# KiCad board EBAZ4205.kicad_pcb (continued)
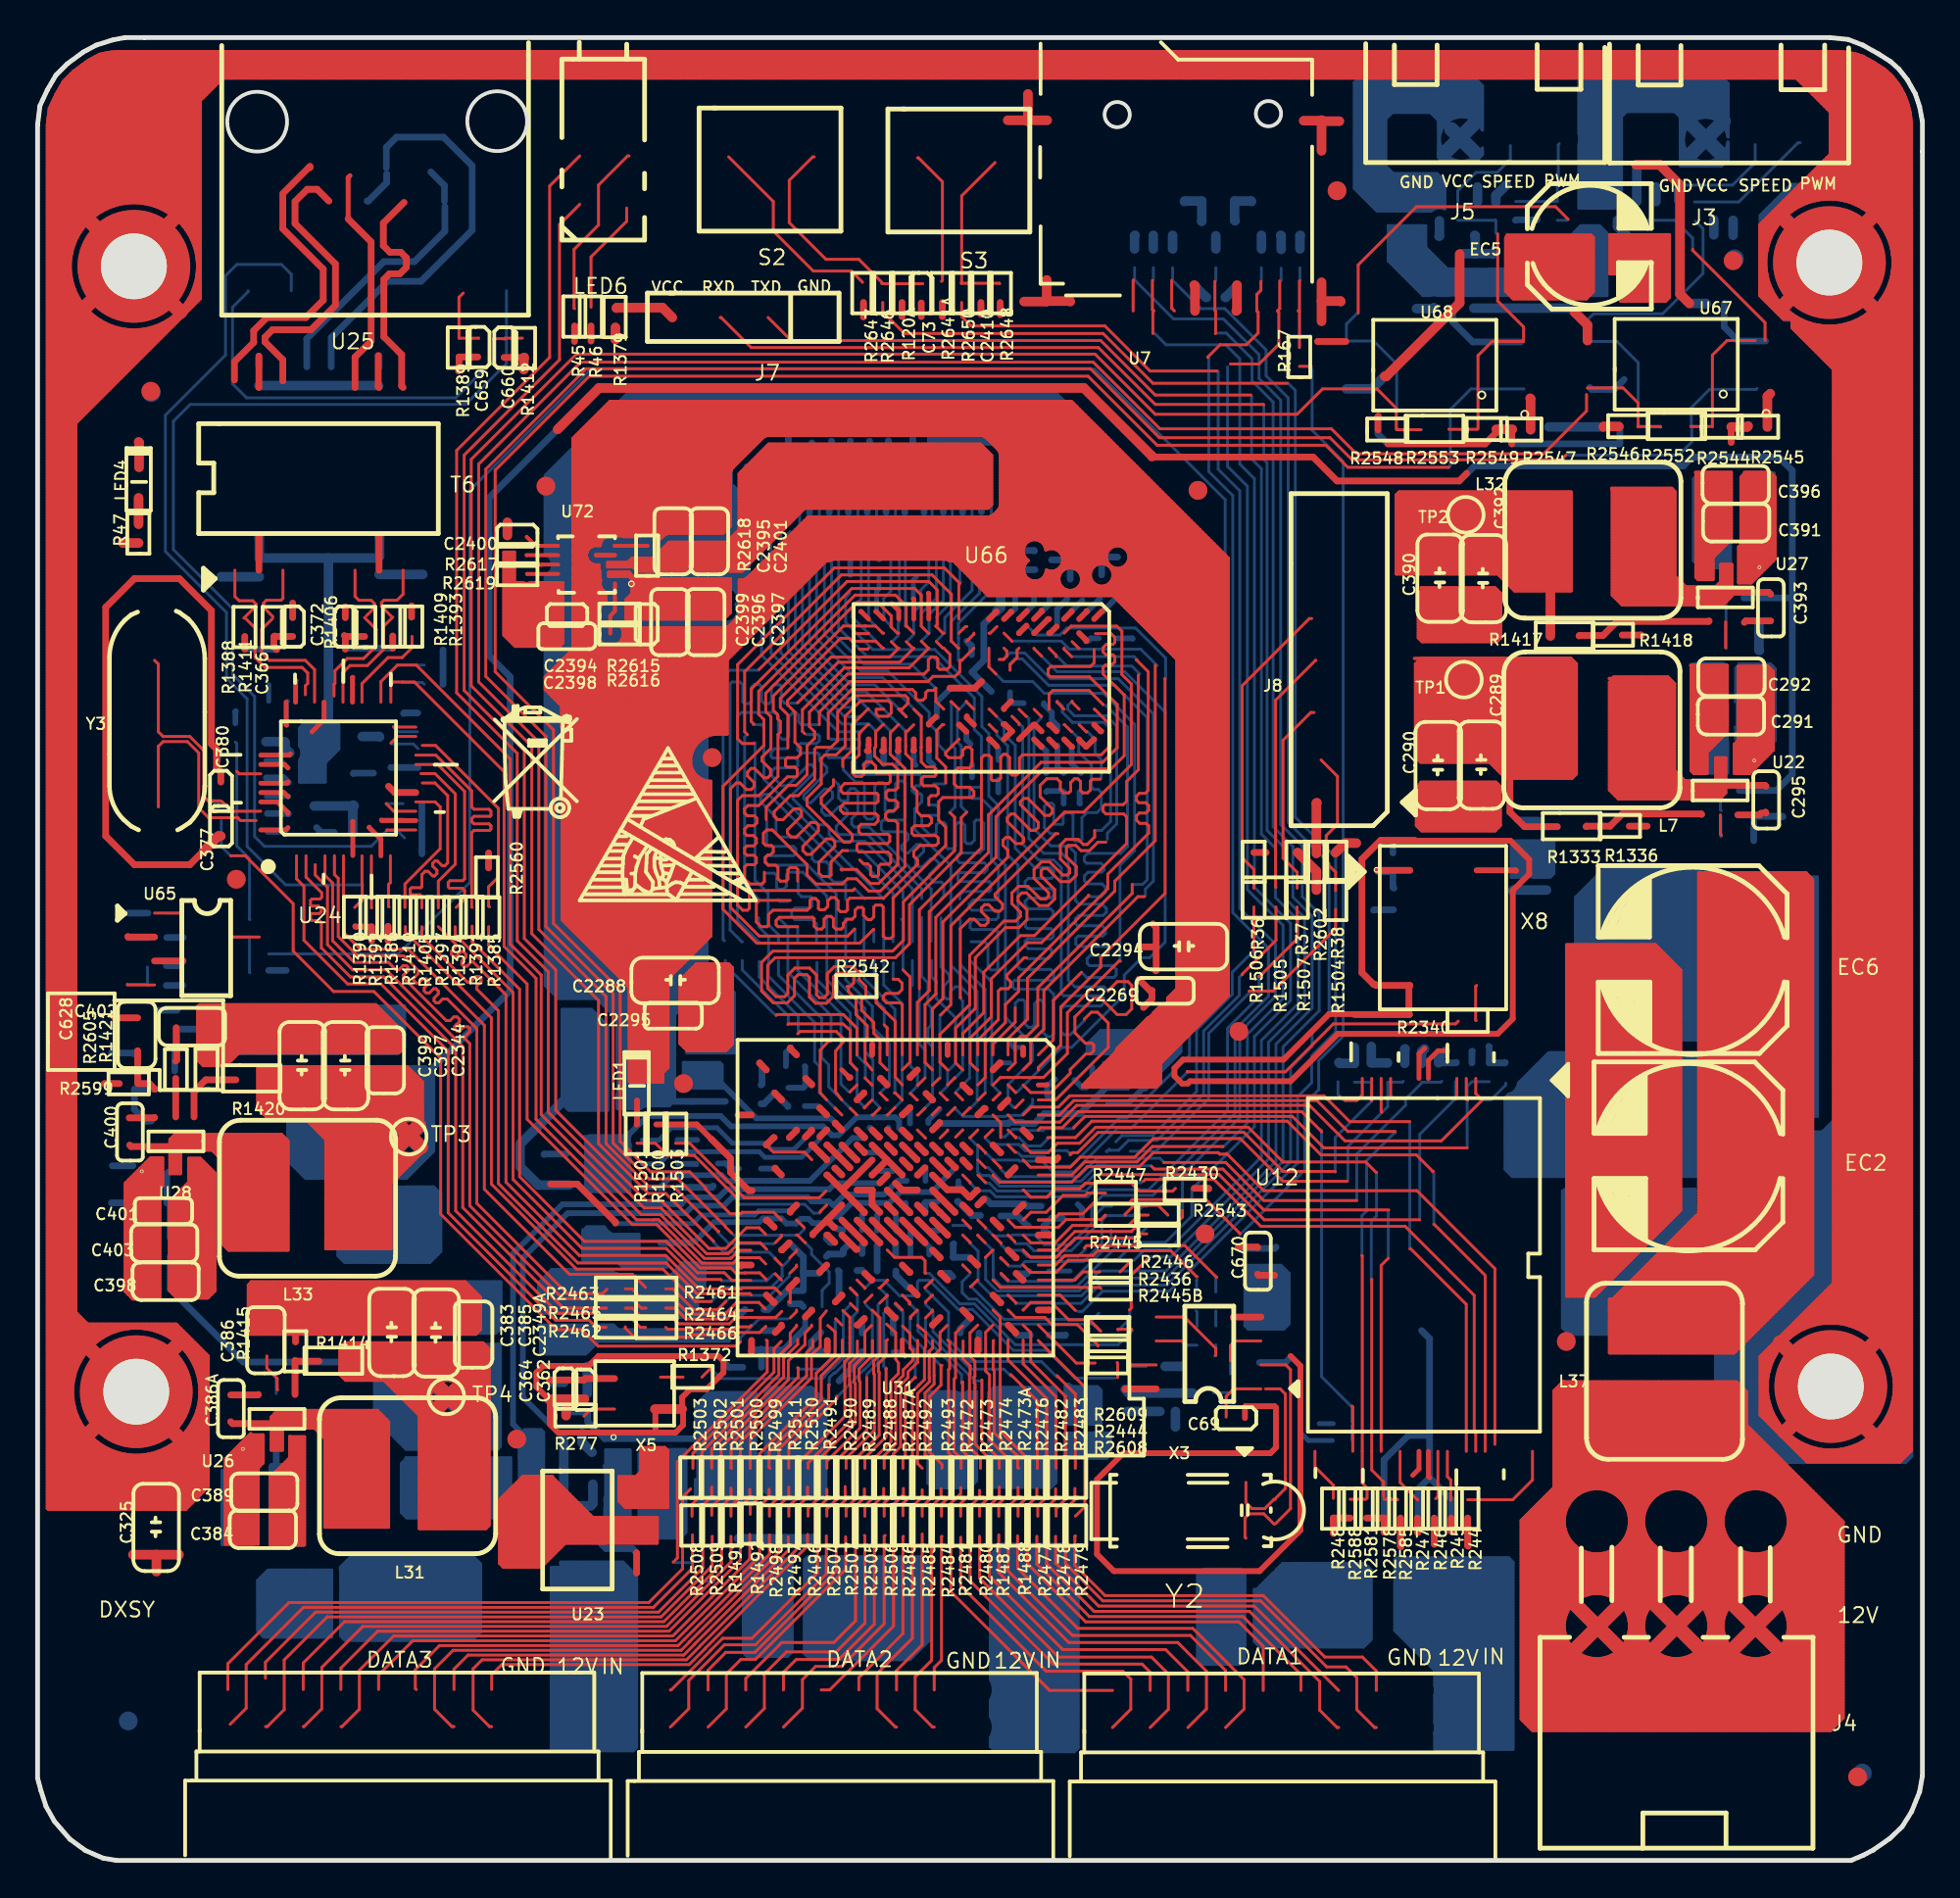
[diagram p0: board, top side]
## Routing (per net, layer and track width the routed paths; a pad name or vN(x,y) marks a point on that pad's centre or on a via; arc(x,y) is an arc through that point) (continued)
; 24.48,0.54 24.48,6.25 ; 29.05,42.3 29.05,87.24 ; 49.63,38.87 49.63,39.66 ; 68.96,71.78 69.69,71.78 ; 51.66,40.22 51.66,40.84 ; 18.38,76.56 18.38,79.8 ; 23.09,7.13 23.24,7.13 ; 4.67,0.55 4.67,17.49 ; 46.45,75.08 46.92,75.08 ; 76.16,6.88 79.66,6.88 ; 38.7,52.97 38.7,55.01 ; 66.73,16.15 67.06,16.15 ; 43.4,64.6 43.4,64.96 ; 52.34,45.61 58.52,45.61 ; 41.12,33.16 41.12,33.42 ; 9.27,81.81 32.9,81.81 ; 63.45,38.12 75.73,38.12 ; 47.62,31.26 49.23,31.26 ; 58.63,51.84 67.7,51.84 ; 75.15,43.45 76.85,43.45 ; 24.15,24.02 35.01,24.02 ; 68.61,38.5 71.99,38.5 ; 39.72,10 39.72,28.65 ; 13.05,56.91 13.05,57.87 ; 46.96,29.14 46.96,29.43 ; 56.1,22.9 56.1,32.37 ; 10.78,60.85 38.02,60.85 ; 65.1,48.53 93.15,48.53 ; 5.81,0.55 5.81,17.5 ; 15.18,90.7 15.81,90.7 ; 50.01,72.71 50.01,74.52 ; 89.02,72.54 93.08,72.54 ; 43.53,60.36 43.53,60.61 ; 60.06,9.42 60.36,9.42 ; 47.56,74.95 47.84,74.95 ; 40.99,7.7 40.99,8.47 ; 49.88,62.94 49.88,72.26 ; 9.28,86.13 58.28,86.13 ; 23.07,8.91 23.26,8.91 ; 53.47,68.73 56.37,68.73 ; 4.16,70.3 4.16,76.04 ; 57.63,44.33 57.63,47.48 ; 29.56,88.75 29.56,90.13 ; 53.82,33.67 53.82,38.09 ; 57.15,54.5 70,54.5 ; 68.64,39.01 71.92,39.01 ; 53.72,59.58 53.93,59.58 ; 49.75,60.29 49.75,61.48 ; 56.87,9.92 56.87,21.45 ; 75.41,17.86 75.41,40.16 ; 48.29,9.8 49.14,9.8 ; 14.32,17.32 14.32,17.64 ; 40.4,9.67 40.99,9.67 ; 36.37,23.9 51.68,23.9 ; 49.21,68.35 52.9,68.35 ; 70.33,32.56 70.33,34.75 ; 17.11,89.15 17.11,89.39 ; 50.52,9.55 50.52,25.28 ; 29.52,88.79 30.81,88.79 ; 9.29,89.94 13.56,89.94 ; 69.69,0.53 69.69,6.27 ; 41.75,82.99 41.75,86.95 ; 73.25,82.97 73.25,85.98 ; 74.9,17.68 74.9,42.71 ; 11.02,84.46 11.02,90.8 ; 1.91,9.42 9.25,9.42 ; 55.52,29.48 57.83,29.48 ; 34.43,7.64 34.93,7.64 ; 50.62,32.53 50.99,32.53 ; 29.1,7.01 32.75,7.01 ; 88.74,63.44 88.74,69.71 ; 43.41,13.1 79.63,13.1 ; 88.74,62.76 88.74,63.33 ; 46.58,65.04 46.66,65.04 ; 36.04,89.47 36.04,90.03 ; 42.26,40.39 42.26,43.23 ; 17.05,8.91 17.24,8.91 ; 45.7,38.12 46.25,38.12 ; 52.17,45.74 52.17,60.67 ; 63.03,83.97 64.72,83.97 ; 40.71,25.93 43.8,25.93 ; 59.7,83.97 59.98,83.97 ; 9.3,95.65 39.76,95.65 ; 75.15,63.19 75.15,73.76 ; 46.59,8.78 46.83,8.78 ; 47.72,39.49 47.72,39.8 ; 21.32,73.93 74.77,73.93 ; 78.58,53.06 78.58,55.04 ; 47.59,65.19 47.59,65.35 ; 71.09,62.14 71.09,63.13 ; 39.3,81.3 41,81.3 ; 44.93,38.87 44.93,39.67 ; 63.98,9.58 63.98,32.96 ; 70.33,24.29 70.33,31.84 ; 12.03,80.4 12.03,83.14 ; 23.34,25.15 23.34,25.72 ; 3.91,41.52 3.91,75.78 ; 36.84,87.65 41.19,87.65 ; 37.56,35.07 37.56,59.59 ; 48.48,38.64 48.48,39.88 ; 39.57,32.28 39.66,32.28 ; 44.04,60.39 44.04,60.59 ; 69.95,43.65 69.95,53.83 ; 46.91,87.65 51.22,87.65 ; 61.81,6.37 62.61,6.37 ; 72.74,0.53 72.74,6.3 ; 33.62,16.21 33.62,19.4 ; 20.52,39.01 42.14,39.01 ; 45.35,44.22 56.26,44.22 ; 10.12,20.85 32.27,20.85 ; 36.79,44.47 39.53,44.47 ; 76.68,0.53 76.68,40.13 ; 73.5,82.97 73.5,85.72 ; 48.36,45.3 48.36,55.43 ; 18.38,91.01 18.38,96.32 ; 74.01,9.57 74.01,19.99 ; 14.07,90.93 14.07,96.32 ; 69.54,9.93 70.93,9.93 ; 5.11,49.42 9.99,49.42 ; 21.5,90.32 28.02,90.32 ; 7.97,46.88 7.97,50.24 ; 4.67,29.37 4.67,46.25 ; 19.91,0.54 19.91,6.23 ; 57.37,32.34 57.37,37.86 ; 50.64,72.41 67.9,72.41 ; 40.36,52.51 40.36,61.24 ; 16.38,8.02 17.91,8.02 ; 45.75,65.55 45.84,65.55 ; 49.83,55.9 67.24,55.9 ; 59.79,7.8 59.79,8.33 ; 44,64.16 48.8,64.16 ; 59.79,20.89 59.79,36.87 ; 24.61,9.92 24.61,80.83 ; 4.89,70 52.79,70 ; 37.02,36.47 49.51,36.47 ; 56.61,9.77 56.61,21.56 ; 56.87,46.65 56.87,53.81 ; 2.91,41.68 3.33,41.68 ; 71.34,31.12 71.34,36.24 ; 49.95,38.25 50.12,38.25 ; 38.96,83.05 38.96,95.74 ; 28.54,42.22 28.54,42.72 ; 41.88,82.93 41.88,86.88 ; 68.49,23.52 79.59,23.52 ; 59.42,8.15 60.99,8.15 ; 21.69,7.92 21.69,8.3 ; 89.63,72.43 89.63,78.13 ; 49.37,0.53 49.37,6.24 ; 29.05,9.4 29.05,27.12 ; 25.88,83.59 61.26,83.59 ; 34.59,82.57 35.51,82.57 ; 29.56,0.54 29.56,33.1 ; 52.42,33.04 53.51,33.04 ; 39.42,32.41 39.79,32.41 ; 8.99,76.56 8.99,80.84 ; 9.88,28.66 9.88,53.35 ; 77.44,60.98 93.11,60.98 ; 1.93,14.5 17.44,14.5 ; 10.89,7.65 10.89,8.58 ; 50.68,34.95 60.74,34.95 ; 18.26,76.56 18.26,79.73 ; 18.64,0.54 18.64,6.34 ; 59.26,51.46 67.71,51.46 ; 71.09,53.01 71.09,55.37 ; 35.78,10 35.78,23.46 ; 40.83,49.55 43.08,49.55 ; 54.59,65.68 67.53,65.68 ; 1.93,13.99 17.36,13.99 ; 54.07,26.15 54.07,32.97 ; 43.07,52.98 43.47,52.98 ; 57.88,93.77 57.88,93.93 ; 47.58,34.56 48.45,34.56 ; 49.12,34.71 49.12,36.59 ; 44.42,31.26 46.83,31.26 ; 40.34,28.72 40.46,28.72 ; 49.16,40.28 49.3,40.28 ; 2.9,45.23 6.06,45.23 ; 41.5,60.83 41.5,81.2 ; 72.2,32.28 72.74,32.28 ; 70.96,7.96 70.96,8.16 ; 69.31,36.94 69.31,40.18 ; 50.9,9.49 50.9,31.14 ; 53.56,33.57 53.56,38.13 ; 47.46,72.16 47.89,72.16 ; 44.3,41.93 44.6,41.93 ; 57.37,44.34 57.37,47.55 ; 50.36,75.2 71.51,75.2 ; 25.5,94.13 54.24,94.13 ; 21.05,7.36 21.05,8.87 ; 56.36,22.93 56.36,36.13 ; 42.22,74.44 42.96,74.44 ; 53.99,69.62 57.16,69.62 ; 88.97,71.65 93.08,71.65 ; 72.36,39.18 72.36,68.47 ; 27.66,76.57 27.66,96.32 ; 26.13,20.35 26.13,64.67 ; 26.51,0.54 26.51,6.26 ; 52.31,41.17 53.35,41.17 ; 62.98,83.84 64.77,83.84 ; 26,65.06 26,65.35 ; 45.96,40.28 46.9,40.28 ; 42.53,7.51 42.87,7.51 ; 88.77,62.63 93.11,62.63 ; 43.37,89.3 44.78,89.3 ; 46.83,36.9 46.83,38.38 ; 50.13,63.13 50.13,72.02 ; 36.16,38.64 36.16,42.96 ; 74.77,74.37 74.77,84.45 ; 43.91,64.84 43.91,65.06 ; 40.36,51.35 40.36,51.74 ; 47.25,46.63 56.8,46.63 ; 52.8,23.55 52.8,23.92 ; 59.41,7.98 59.41,8.14 ; 77.8,61.49 93.11,61.49 ; 79.03,52.85 83.47,52.85 ; 66.79,29.61 79.57,29.61 ; 65.5,7.96 65.5,8.17 ; 13.56,56.94 13.56,57.83 ; 71.34,17.72 71.34,30.73 ; 42.73,29.1 43.7,29.1 ; 22.96,26.41 22.96,82.67 ; 74.39,7.43 74.39,8.7 ; 17.43,89.94 17.65,89.94 ; 47.98,62.75 47.98,64.51 ; 35.28,68.1 35.28,86.74 ; 4.8,49.57 4.8,50.03 ; 11.27,64.78 11.27,70.75 ; 76.77,63.14 88.04,63.14 ; 43.15,14.63 43.15,29.26 ; 43.59,61.74 48.24,61.74 ; 9.8,18.56 79.61,18.56 ; 73.55,70.89 75.54,70.89 ; 8.66,34.82 36.86,34.82 ; 49.81,55.65 67.42,55.65 ; 43.78,64.87 43.78,64.95 ; 2.8,73.43 8.27,73.43 ; 71.26,62 75.66,62 75.66,61.76 ; 44.26,33.17 45.3,33.17 ; 61.31,31.13 61.31,34.52 ; 56.99,93.76 56.99,93.93 ; 70.84,63.01 75.09,63.01 ; 62.33,36.14 62.33,79.61 ; 63.72,79.91 63.72,95.47 ; 4.73,76.6 71.07,76.6 ; 52.93,65.43 53.9,65.43 ; 88.93,72.28 89.01,72.28 ; 44.93,65.92 44.93,66.22 ; 73.88,0.53 73.88,6.4 ; 51.57,31.52 51.81,31.52 ; 73.12,17.67 73.12,32.17 ; 46.45,72.63 46.45,74.52 ; 84.82,52.85 86.43,52.85 ; 49.88,9.99 49.88,25.44 ; 2.84,61.36 10.2,61.36 ; 69.39,36.85 70.93,36.85 ; 46.45,91.53 46.45,94.95 ; 76.16,7.26 79.65,7.26 ; 37.94,27.47 37.94,59.1 ; 75.28,74.5 75.28,83.94 ; 72.36,7.35 72.36,8.77 ; 51.79,8.03 51.79,8.15 ; 10.89,0.55 10.89,6.6 ; 51.88,91.46 69.89,91.46 ; 65.25,77.87 65.25,83.68 ; 61.18,17.18 61.18,20.02 ; 86.58,50.04 86.58,50.48 ; 46.34,72.03 47.02,72.03 ; 70.71,31.19 70.71,31.88 ; 4.29,0.87 4.29,17.49 ; 13.46,60.09 14.21,60.09 ; 52.1,60.6 52.37,60.6 ; 66.89,78.63 71.56,78.63 ; 46.48,65.17 46.74,65.17 ; 52.67,69.82 52.67,86.68 ; 2.85,59.33 18.43,59.33 ; 67.15,9.97 67.15,13.14 ; 42.77,39.48 42.77,39.82 ; 58.39,29.63 58.39,31.59 ; 16.35,76.56 16.35,88.02 ; 16.61,55.66 16.61,64.16 18.76,64.16 ; 46.54,61.11 46.73,61.11 ; 7.59,0.55 7.59,17.51 ; 76.3,38.25 84.58,38.25 ; 7.46,43.61 7.46,46.28 ; 68.86,68.47 69.79,68.47 ; 70.84,0.53 70.84,6.24 ; 44.92,65.93 45.08,65.93 ; 52.42,28.21 52.42,31.04 ; 44.29,47.44 44.29,49.22 ; 34.65,82.44 35.45,82.44 ; 2.82,67.97 33.25,67.97 ; 83.79,51.12 83.79,51.48 ; 9.03,32.91 35.52,32.91 ; 36.23,26.06 40.09,26.06 ; 51.79,25.22 51.79,25.46 ; 52.29,45.66 52.29,47.84 ; 69.93,36.47 70.89,36.47 ; 42.61,43.71 48.15,43.71 ; 66.77,29.67 66.77,78.34 ; 19.04,6.88 19.26,6.88 ; 71.5,61.36 73.85,61.36 ; 29.81,81.02 29.81,96.32 ; 76.3,40.79 76.3,60.47 ; 47.98,61.23 47.98,62.05 ; 2.87,53.36 9.87,53.36 ; 36.42,30.09 36.42,30.48 ; 18.13,76.56 18.13,79.71 ; 56.48,61.85 56.48,66.14 ; 77.19,0.52 77.19,40.23 ; 61.19,34.31 71.66,34.31 ; 2.94,32.53 8.36,32.53 ; 77.56,61.87 87.96,61.87 ; 57.57,32.28 58.01,32.28 ; 39.57,31.14 39.68,31.14 ; 49.55,33.29 48.23,33.29 48.23,32.46 ; 44.53,7.51 44.88,7.51 ; 27.93,76.47 80.07,76.47 ; 49.5,0.53 49.5,6.2 ; 36.16,43.52 36.16,43.68 ; 71.85,17.81 71.85,31.66 ; 52.04,30.04 52.04,30.83 ; 71.87,17.8 73.27,17.8 ; 64.87,46.32 64.87,46.67 ; 4.47,76.35 8.27,76.35 ; 73.97,6.5 74.52,6.5 ; 71.55,52.98 78.43,52.98 ; 36.8,45.61 36.8,45.99 ; 55.72,0.53 55.72,32.24 ; 48.18,60.6 50.77,60.6 ; 84.42,51.94 84.42,52.27 ; 71.5,55.39 78.36,55.39 ; 52.52,6.62 56.39,6.62 ; 46.62,60.09 49.03,60.09 ; 2.86,57.68 10.34,57.68 ; 88.54,62.25 88.91,62.25 ; 11.02,76.56 11.02,82.64 ; 42.13,57.85 42.13,59.34 ; 48.33,26.69 57.9,26.69 ; 41.5,9.98 41.5,12.43 ; 20.16,0.54 20.16,6.2 ; 50.39,63.11 50.39,72.03 ; 43.66,29.73 43.66,30.27 ; 34.39,89.04 34.39,96.22 ; 56.83,43.84 57.11,43.84 ; 59.79,9.77 59.79,16.31 ; 56.97,61.23 67.16,61.23 ; 44.44,72.66 44.86,72.66 ; 25.05,7.39 25.28,7.39 ; 58.52,37.99 62.68,37.99 ; 40.39,74.57 40.78,74.57 ; 81.12,34.85 81.12,74.46 ; 10.12,22.75 35.31,22.75 ; 47.59,33.04 49.27,33.04 ; 50.77,40.66 50.88,40.66 ; 67.45,8.15 69.02,8.15 ; 15.84,8 15.84,8.22 ; 44.17,0.54 44.17,6.3 ; 35.66,67.98 35.66,81.48 ; 72.99,39.72 72.99,40.25 ; 45.31,33.17 45.31,34.24 ; 54.96,29.52 54.96,37.28 ; 33.78,20.34 59.46,20.34 ; 70.07,7.47 70.07,8.66 70.4,8.66 ; 50.13,41.12 50.13,62.37 ; 73.88,61.64 73.88,85.34 ; 57.91,92.1 65.14,92.1 ; 8.86,33.35 8.86,34.2 ; 52.45,22.75 55.93,22.75 ; 12.16,76.56 12.16,80.02 ; 50.39,38.89 50.39,39.63 ; 8.86,32.6 8.86,32.68 ; 50.64,91.27 50.64,94.51 ; 60.68,34.9 60.68,83.88 ; 40.61,7.26 40.78,7.26 ; 38.84,55.01 54.14,55.01 ; 28.54,89.03 28.54,89.85 ; 2.84,61.87 40.14,61.87 ; 74.26,0.53 74.26,20.03 ; 59.61,49.55 86.44,49.55 ; 71.64,36.6 73.89,36.6 ; 36.29,7.8 36.29,8.38 ; 37.05,91.61 37.05,95.94 ; 48.1,65.95 48.1,72.02 ; 25.66,82.95 33.35,82.95 ; 72.11,0.53 72.11,6.74 ; 2.82,67.2 36.27,67.2 ; 43.66,89.02 43.66,95.24 ; 58.41,28.6 79.57,28.6 ; 48.23,9.85 48.23,25.97 ; 54.71,37.98 54.71,58.99 ; 13.05,0.55 13.05,7 ; 25.58,91.08 27.99,91.08 ; 49.15,41.42 53.35,41.42 ; 47.34,64.66 47.49,64.66 ; 67.91,23.52 67.91,51.28 ; 45.82,64.92 45.82,65.63 ; 10.12,21.23 32.27,21.23 ; 40.82,75.08 40.35,75.08 40.36,90.55 ; 58.97,46.76 64.71,46.76 ; 10.51,7.97 10.51,8.26 ; 56.74,38.18 56.74,43.61 ; 19.15,39.09 19.15,39.76 ; 49.75,29.22 49.75,30.15 ; 2.87,54 42.79,54 ; 21.24,89.43 34.86,89.43 ; 47.39,30.12 66.02,30.12 ; 35.15,9.83 35.15,22.82 ; 18.77,0.54 18.77,6.43 ; 46.18,8.28 47.24,8.28 ; 40.61,50.01 40.61,51.76 ; 5.05,29.37 5.05,46.34 ; 41.97,89.94 46.13,89.94 ; 72.19,75.2 78.11,75.2 ; 39.42,74.95 39.71,74.95 ; 63.34,7.99 63.34,8.13 ; 73.43,69.74 88.4,69.74 ; 53.31,0.53 53.31,58.92 ; 83.79,37.47 83.79,50.8 ; 50.79,31.9 50.9,31.9 ; 28.92,81.05 29.1,81.05 ; 40.22,28.6 40.55,28.6 ; 43.28,37.27 43.28,39.63 ; 58.44,38.12 62.7,38.12 ; 57.88,32.14 57.88,37.56 ; 71.51,77.24 90.56,77.24 ; 2.9,43.96 28.16,43.96 ; 55.37,66.7 56.31,66.7 ; 19.88,40.53 29.01,40.53 ; 47.59,40.19 47.59,41.51 ; 72.24,75.46 78.06,75.46 ; 48.47,44.98 55.36,44.98 ; 10.12,26.94 26.94,26.94 ; 39.85,8.01 39.85,8.16 ; 29.18,91.59 29.18,96.32 ; 43.79,51.96 57.86,51.96 ; 45.05,65.01 45.05,65.45 ; 37.01,66.31 44.27,66.31 ; 2.83,65.3 25.31,65.3 ; 40.74,49.92 40.74,51.85 ; 47.21,91.52 47.21,94.87 ; 28.67,81.23 28.67,87.24 ; 19.4,63.12 19.4,70.75 ; 57.25,9.98 57.25,21.69 ; 50.8,40.15 51.64,40.15 ; 41.82,38.88 42.31,38.88 ; 11.02,7.38 11.02,8.85 ; 2.91,40.53 18.38,40.53 ; 48.51,9.55 48.92,9.55 ; 16.22,87.78 16.78,87.78 ; 9.29,92.86 9.84,92.86 ; 43.16,89.43 45.03,89.43 ; 66.77,14.47 66.77,14.79 ; 9.29,91.21 10.39,91.21 ; 1.9,8.4 9.51,8.4 ; 64.1,0.53 64.1,6.8 ; 76.95,61.74 77.09,61.74 ; 38.83,83.05 38.83,95.75 ; 59.99,9.55 60.43,9.55 ; 2.89,48.66 58.21,48.66 ; 13.69,7.94 13.69,8.29 ; 41.75,0.54 41.75,6.17 ; 53.07,23.01 60.16,23.01 ; 46.86,87.52 51.27,87.52 ; 41.82,34.82 43.77,34.82 ; 15.46,76.56 15.46,87.4 ; 51.15,42.84 51.15,58.87 ; 52.44,37.74 54.56,37.74 ; 43.61,36.98 46.04,36.98 ; 13.43,55.35 13.43,56.25 ; 18,10.02 18,13.95 ; 49.63,56.15 49.63,59.74 ; 13.56,90.24 13.56,96.32 ; 19.03,89.3 20.13,89.3 ; 88.36,72.82 88.36,73 ; 79.06,52.6 83.44,52.6 ; 49.88,29.15 49.88,30.21 ; 68.27,55.39 69.65,55.39 ; 35.02,24.08 35.02,43.7 ; 35.88,24.91 36.57,24.91 ; 48.74,64.08 48.74,64.51 ; 81,34.73 81,74.58 ; 11.65,94.42 11.65,96.32 ; 54.07,41.49 54.07,54.33 ; 14.45,9.97 14.45,59.71 ; 44.93,60.35 44.93,64.62 ; 40.99,75.18 40.99,81.31 ; 42.48,72.28 42.75,72.28 ; 68.04,79.82 68.04,95.94 ; 49.47,63.9 50.78,63.9 ; 65.88,93.84 65.88,95.73 ; 45.94,75.12 45.94,86.73 ; 40.74,72.6 40.74,74.65 ; 18.83,6.5 19.47,6.5 ; 36.16,26.49 36.16,29.51 ; 74.52,36.98 74.52,60.51 ; 42.62,40.41 43.15,40.41 ; 71.41,71.9 72.17,71.9 ; 44.29,30.73 44.29,30.96 ; 13.18,58.51 13.18,60.04 ; 11.25,64.16 12.46,64.16 ; 75.46,74.32 93.08,74.32 ; 45.69,38.88 45.69,39.69 ; 13.69,90.59 13.69,96.32 ; 46.56,64.66 46.71,64.66 ; 20.67,91.03 20.67,96.32 ; 27.02,9.47 27.02,19.63 ; 62.71,86.87 62.71,95.13 ; 41.18,33.04 42.06,33.04 ; 47.72,32.27 47.72,33.45 ; 37,29.87 38.84,29.87 ; 35.78,38.79 35.78,43.58 ; 71.6,9.91 71.6,17.08 ; 75.9,40.79 75.79,40.79 75.79,60.59 ; 32.61,22.04 32.61,96.32 ; 58.46,26.18 79.58,26.18 ; 9.29,91.08 10.53,91.08 ; 71.5,56.41 93.12,56.41 ; 47.72,62.79 47.72,64.5 ; 54.83,66.84 54.83,67.82 ; 76.17,0.53 76.17,6.95 ; 35.46,44.34 35.68,44.34 ; 29.5,90.06 30.82,90.06 ; 48.71,59.08 50.7,59.08 ; 21.32,71.14 67.22,71.14 ; 51.42,60.09 54.63,60.09 ; 92.3,45.83 92.3,75.52 ; 70.33,43.58 70.33,53.79 ; 16.86,55.68 16.86,70.75 ; 39.34,0.54 39.34,6.24 ; 1.92,12.21 79.63,12.21 ; 56.74,22.88 56.74,36.19 ; 57.88,25.47 57.88,26.02 ; 14.83,0.55 14.83,6.51 ; 41.95,40.28 42.13,40.28 ; 14.32,91.01 14.32,96.32 ; 20.4,39.14 42.07,39.14 ; 70.96,36.89 70.96,40.06 ; 67.52,84.22 75,84.22 ; 23.46,9.71 23.46,23.91 ; 50.57,35.58 61.97,35.58 ; 92.55,46.07 92.55,75.27 ; 26.74,65.17 43.23,65.17 ; 57.28,22.5 79.6,22.5 ; 57.5,44.36 57.5,47.49 ; 53.18,59.54 53.18,60.59 ; 60.17,21.06 60.17,22.98 ; 67.15,66.53 67.15,68.87 ; 68.15,9.16 68.31,9.16 ; 70.58,35.22 70.58,55.37 ; 9.29,92.98 9.87,92.98 ; 57.17,22.12 79.6,22.12 ; 35.66,30.09 35.66,32.69 ; 45.05,30.75 45.05,35.75 ; 59.15,84.45 59.15,86.18 ; 47.34,42.03 47.34,55.79 ; 28.71,6.37 33.1,6.37 ; 47.42,29.23 49.54,29.23 ; 29.07,7.39 32.79,7.39 ; 47.72,33.85 47.72,36.64 ; 53,48.15 57.32,48.15 ; 76.46,37.87 84.19,37.87 ; 63.01,30.75 66.08,30.75 ; 13.47,93.11 22.67,93.11 ; 48.18,8.28 49.25,8.28 ; 15.46,7.76 15.46,8.47 ; 22.32,8.04 22.32,8.19 ; 62.83,27.25 62.83,30.67 ; 35.15,68.06 35.15,86.77 ; 15.59,9.85 15.59,70.75 ; 79.13,55.52 93.13,55.52 ; 88.87,70.37 88.87,70.6 ; 53.03,65.81 53.83,65.81 ; 9.44,96.16 34.94,96.16 ; 70.07,72.28 70.07,82.04 ; 57.75,38.36 57.75,43.68 ; 32.74,22.02 32.74,96.32 ; 46.59,37.23 47.06,37.23 ; 61.95,35.85 61.95,79.78 ; 29.43,0.54 29.43,33.05 ; 44.55,9.46 44.55,29.4 ; 70.33,62.26 70.33,63.01 ; 75.15,9.97 75.15,17.12 ; 33.24,82.89 33.24,96.32 ; 46.54,26.82 62.31,26.82 ; 81.25,75.19 81.25,78.18 ; 51.4,59.96 54.65,59.96 ; 50.62,6.88 50.82,6.88 ; 24.23,0.54 24.23,6.2 ; 48.08,65.17 48.34,65.17 ; 55.21,59.59 55.21,59.73 ; 52.34,38.25 52.51,38.25 ; 85.61,50.69 86.39,50.69 ; 10.12,27.07 26.76,27.07 ; 70.96,40.84 70.96,50.21 ; 47.59,30.61 47.59,31.14 ; 48.32,32.41 49.41,32.41 ; 87.09,40.71 87.09,48.82 ; 42.79,33.04 43.64,33.04 ; 49.25,32.17 49.25,32.77 ; 71.77,39.52 72.68,39.52 ; 19.02,58.5 19.02,59.15 ; 81.38,75.19 81.38,78.18 ; 75.79,74.12 75.79,83.43 ; 45.44,44.47 55.45,44.47 ; 46.53,26.94 62.31,26.94 ; 13.18,93.67 13.18,96.32 ; 46.45,41.24 46.45,58.71 ; 57.51,9.93 58.9,9.93 ; 67.66,64.73 67.66,65.6 ; 40.31,44.6 44.68,44.6 ; 87.35,53.04 87.35,78.14 ; 68.75,63.27 69.9,63.27 ; 91.41,44.95 91.41,76.4 ; 41.45,72.28 41.72,72.28 ; 35.28,0.54 35.28,6.27 ; 76.03,9.55 79.64,9.55 ; 2.88,51.33 39.73,51.33 ; 38.47,63.01 49.93,63.01 ; 58.64,32.12 58.64,35.76 ; 22.32,0.54 22.32,6.21 ; 74.14,20.76 74.14,33.49 ; 76.18,9.04 79.65,9.04 ; 62.02,6.62 62.41,6.62 ; 66.1,14.63 79.63,14.63 ; 19.44,89.81 19.72,89.81 ; 39.34,7.96 39.34,8.22 ; 36.04,31.08 36.04,32.63 ; 73.38,39.5 73.38,68.42 ; 14.89,60.35 18.56,60.35 ; 28.03,76.35 80.03,76.35 ; 52.28,39.77 71.13,39.77 ; 24.18,24.15 35.06,24.15 ; 41.75,60.81 41.75,72.19 ; 62.83,0.53 62.83,6.23 ; 14.42,83.46 21.75,83.46 ; 71.47,7.97 71.47,8.15 ; 28.04,10.02 28.04,27 ; 51.29,66.19 52.41,66.19 ; 93.14,50.44 71.47,50.44 71.47,40.21 ; 31.08,88.99 31.08,89.88 ; 51.4,88.92 51.4,89.65 ; 16.23,0.55 16.23,6.2 ; 67.43,84.35 74.87,84.35 ; 62.71,84.44 62.71,86.08 ; 56.61,46.43 56.61,53.93 ; 2.92,37.1 36.62,37.1 ; 2.93,34.18 8.25,34.18 ; 10.12,19.83 12.83,19.83 ; 67.41,72.14 67.41,79.39 ; 62.64,80.16 79.06,80.16 ; 29,89.81 31.33,89.81 ; 19.32,60.47 37.73,60.47 ; 18.69,55.39 38.38,55.39 ; 56.99,61.79 56.99,66.31 ; 58.62,64.28 67.23,64.28 ; 49.95,36.72 50.09,36.72 ; 9.18,29.36 35.82,29.36 ; 24.1,24.44 24.1,24.57 ; 56.48,55.14 56.48,57.16 ; 57.99,47.9 93.15,47.9 ; 66.45,92.98 69.88,92.98 ; 40.23,34.84 40.23,42.9 ; 2.88,49.55 4.68,49.55 ; 14.45,0.55 14.45,6.25 ; 50.26,9.83 50.26,25.18 ; 89.25,62.27 89.25,69.75 ; 49.37,25.79 49.37,28.55 ; 54.34,26.18 57.74,26.18 ; 72.61,0.53 72.61,6.4 ; 40.21,32.53 40.73,32.53 ; 59.53,84.43 59.53,86.14 ; 49.45,25.17 51.73,25.17 ; 10.12,23.01 35,23.01 ; 85.57,39.22 85.57,50.67 ; 14.13,18.18 65.4,18.18 ; 29.77,40.53 38.99,40.53 ; 47.59,31.14 49.27,31.14 ; 19.25,60.6 37.75,60.6 ; 49.21,41.55 53.42,41.55 ; 2.92,36.98 36.55,36.98 ; 10.13,0.55 10.13,6.2 ; 60.12,8.91 60.29,8.91 ; 71.5,56.66 93.12,56.66 ; 14.7,7.86 14.7,8.36 ; 49.37,33.18 49.37,33.4 ; 28.42,44.26 28.42,80.49 ; 16.23,8.05 16.23,8.18 ; 40.44,72.41 40.68,72.41 ; 67.95,6.5 68.51,6.5 ; 74.17,9.04 74.32,9.04 ; 14.84,90.95 16.15,90.95 ; 52.29,7.83 52.29,8.34 ; 36.16,91.44 36.16,96.03 ; 44.17,26.09 44.17,28.49 ; 46.45,38.87 46.45,40.46 ; 40.81,49.8 43.15,49.8 ; 38.2,59.84 38.2,60.09 ; 77.33,42.95 89.37,42.95 ; 17.24,90.68 17.24,96.32 ; 73.91,8.4 74.59,8.4 ; 56.74,54.56 56.74,57.2 ; 74.47,20.34 79.6,20.34 ; 44.8,26.38 44.8,29.31 ; 78.79,75.2 83.9,75.2 ; 75.66,9.88 75.66,40.2 ; 65.17,47.39 93.15,47.39 ; 70.16,7.01 70.31,7.01 ; 69.57,7.94 69.57,8.18 ; 22.96,84.43 22.96,91.46 ; 14.08,82.82 22.1,82.82 ; 6.83,45.36 6.83,78.69 ; 68.57,72.28 70.08,72.28 ; 48.25,60.73 50.67,60.73 ; 63.6,9.9 63.6,26.23 ; 64.74,78.36 64.74,83.89 ; 61.6,83.46 75.76,83.46 ; 88.7,72.03 89,72.03 ; 42.16,82.7 70.05,82.7 ; 11.27,0.55 11.27,6.77 ; 22.07,10.02 22.07,23.84 ; 58.13,7.13 58.28,7.13 ; 79.07,52.73 83.44,52.73 ; 25.02,84.48 58.15,84.48 ; 25.78,83.97 57.96,83.97 ; 4.12,1.04 79.68,1.04 ; 50.42,6.5 51.02,6.5 ; 52.47,31.26 61.35,31.26 ; 10.62,53.61 42.73,53.61 ; 51.28,9.89 51.28,30.86 ; 76.8,71.14 88.31,71.14 ; 55.6,32.96 55.6,44.4 ; 89.5,43.08 89.5,54.19 ; 32.48,22.01 32.48,96.32 ; 58.71,86.25 59.07,86.25 ; 62.45,9.58 62.45,26.57 ; 52.42,9.69 52.42,21.7 ; 56.88,68.73 67.18,68.73 ; 72.16,8.91 72.33,8.91 ; 32.23,0.54 32.23,16.2 ; 45.44,41.21 45.44,44.39 ; 36.43,8.53 36.94,8.53 ; 39.09,83.03 39.09,95.72 ; 45.24,74.44 46.01,74.44 ; 63.98,7.61 63.98,8.52 ; 55.43,61.62 56.32,61.62 ; 88.62,42.21 88.62,59.48 ; 71.47,63.65 75.64,63.65 ; 67.53,67.19 67.53,68.21 ; 50.9,37.87 50.9,38.34 ; 41.5,8.01 41.5,8.17 ; 44.41,6.5 45,6.5 ; 78.58,55.76 78.58,75.03 ; 43.66,65.69 43.66,81.89 ; 19.15,58.36 19.15,59.29 ; 2.83,66.44 25.28,66.44 ; 43.55,40.28 43.67,40.28 ; 69.95,69.65 69.95,70.82 ; 28.93,89.07 28.93,89.8 ; 43.91,31.63 43.91,32.49 ; 42.43,25.42 43.85,25.42 ; 3.71,75.59 8.27,75.59 ; 13.57,84.48 22.61,84.48 ; 52.19,32.53 55.42,32.53 ; 60.55,0.53 60.55,6.43 ; 39.34,45.37 39.34,72.08 ; 75.05,60.85 75.14,60.85 ; 66.26,78.94 66.26,83.72 ; 53.69,0.53 53.69,32.91 ; 46.07,30.72 46.07,36.7 ; 69.57,40.87 69.57,96.1 ; 2.93,35.33 50.02,35.33 ; 40.34,32.28 47.72,32.28 ; 62.94,26.56 63.08,26.56 ; 75.53,72.31 75.53,83.69 ; 4.8,29.37 4.8,46.23 ; 14.25,17.55 59.64,17.55 ; 75.79,61.82 75.79,61.96 ; 41.12,33.42 47.74,33.42 ; 21.05,76.56 21.05,87.62 ; 19.78,14.49 19.78,15.28 ; 63.09,0.53 63.09,6.16 ; 73.94,28.47 79.57,28.47 ; 73.62,68.73 93.09,68.73 ; 37.06,82.7 38.14,82.7 ; 16.86,9.69 16.86,54.92 ; 83.54,76.63 83.54,78.16 ; 81.72,74.82 93.01,74.82 ; 43.86,87.65 44.19,87.65 ; 83.92,53.07 83.92,75.19 ; 54.38,58.95 54.76,58.95 ; 45.69,60.37 45.69,64.58 ; 74.14,61.84 74.14,85.09 ; 44.52,25.67 46.33,25.67 ; 17.75,7.96 